# Altium PCB uAMDC.PcbDoc (part 5 of 6)
Units mil, origin at the board's own origin, x right, y up, seen from the top; angles counter-clockwise.
Board outline 4335 x 5120 mil, 6 copper layers (Top Layer, Int1 (GND), Int2 (Sign), Int3 (Sign), Int4 (PWR), Bottom Layer), stack 55.468 mil thick; 396 components, 471 nets, 2094 pads, 683 vias.
Unrouted connection lines stored in the file: 618.
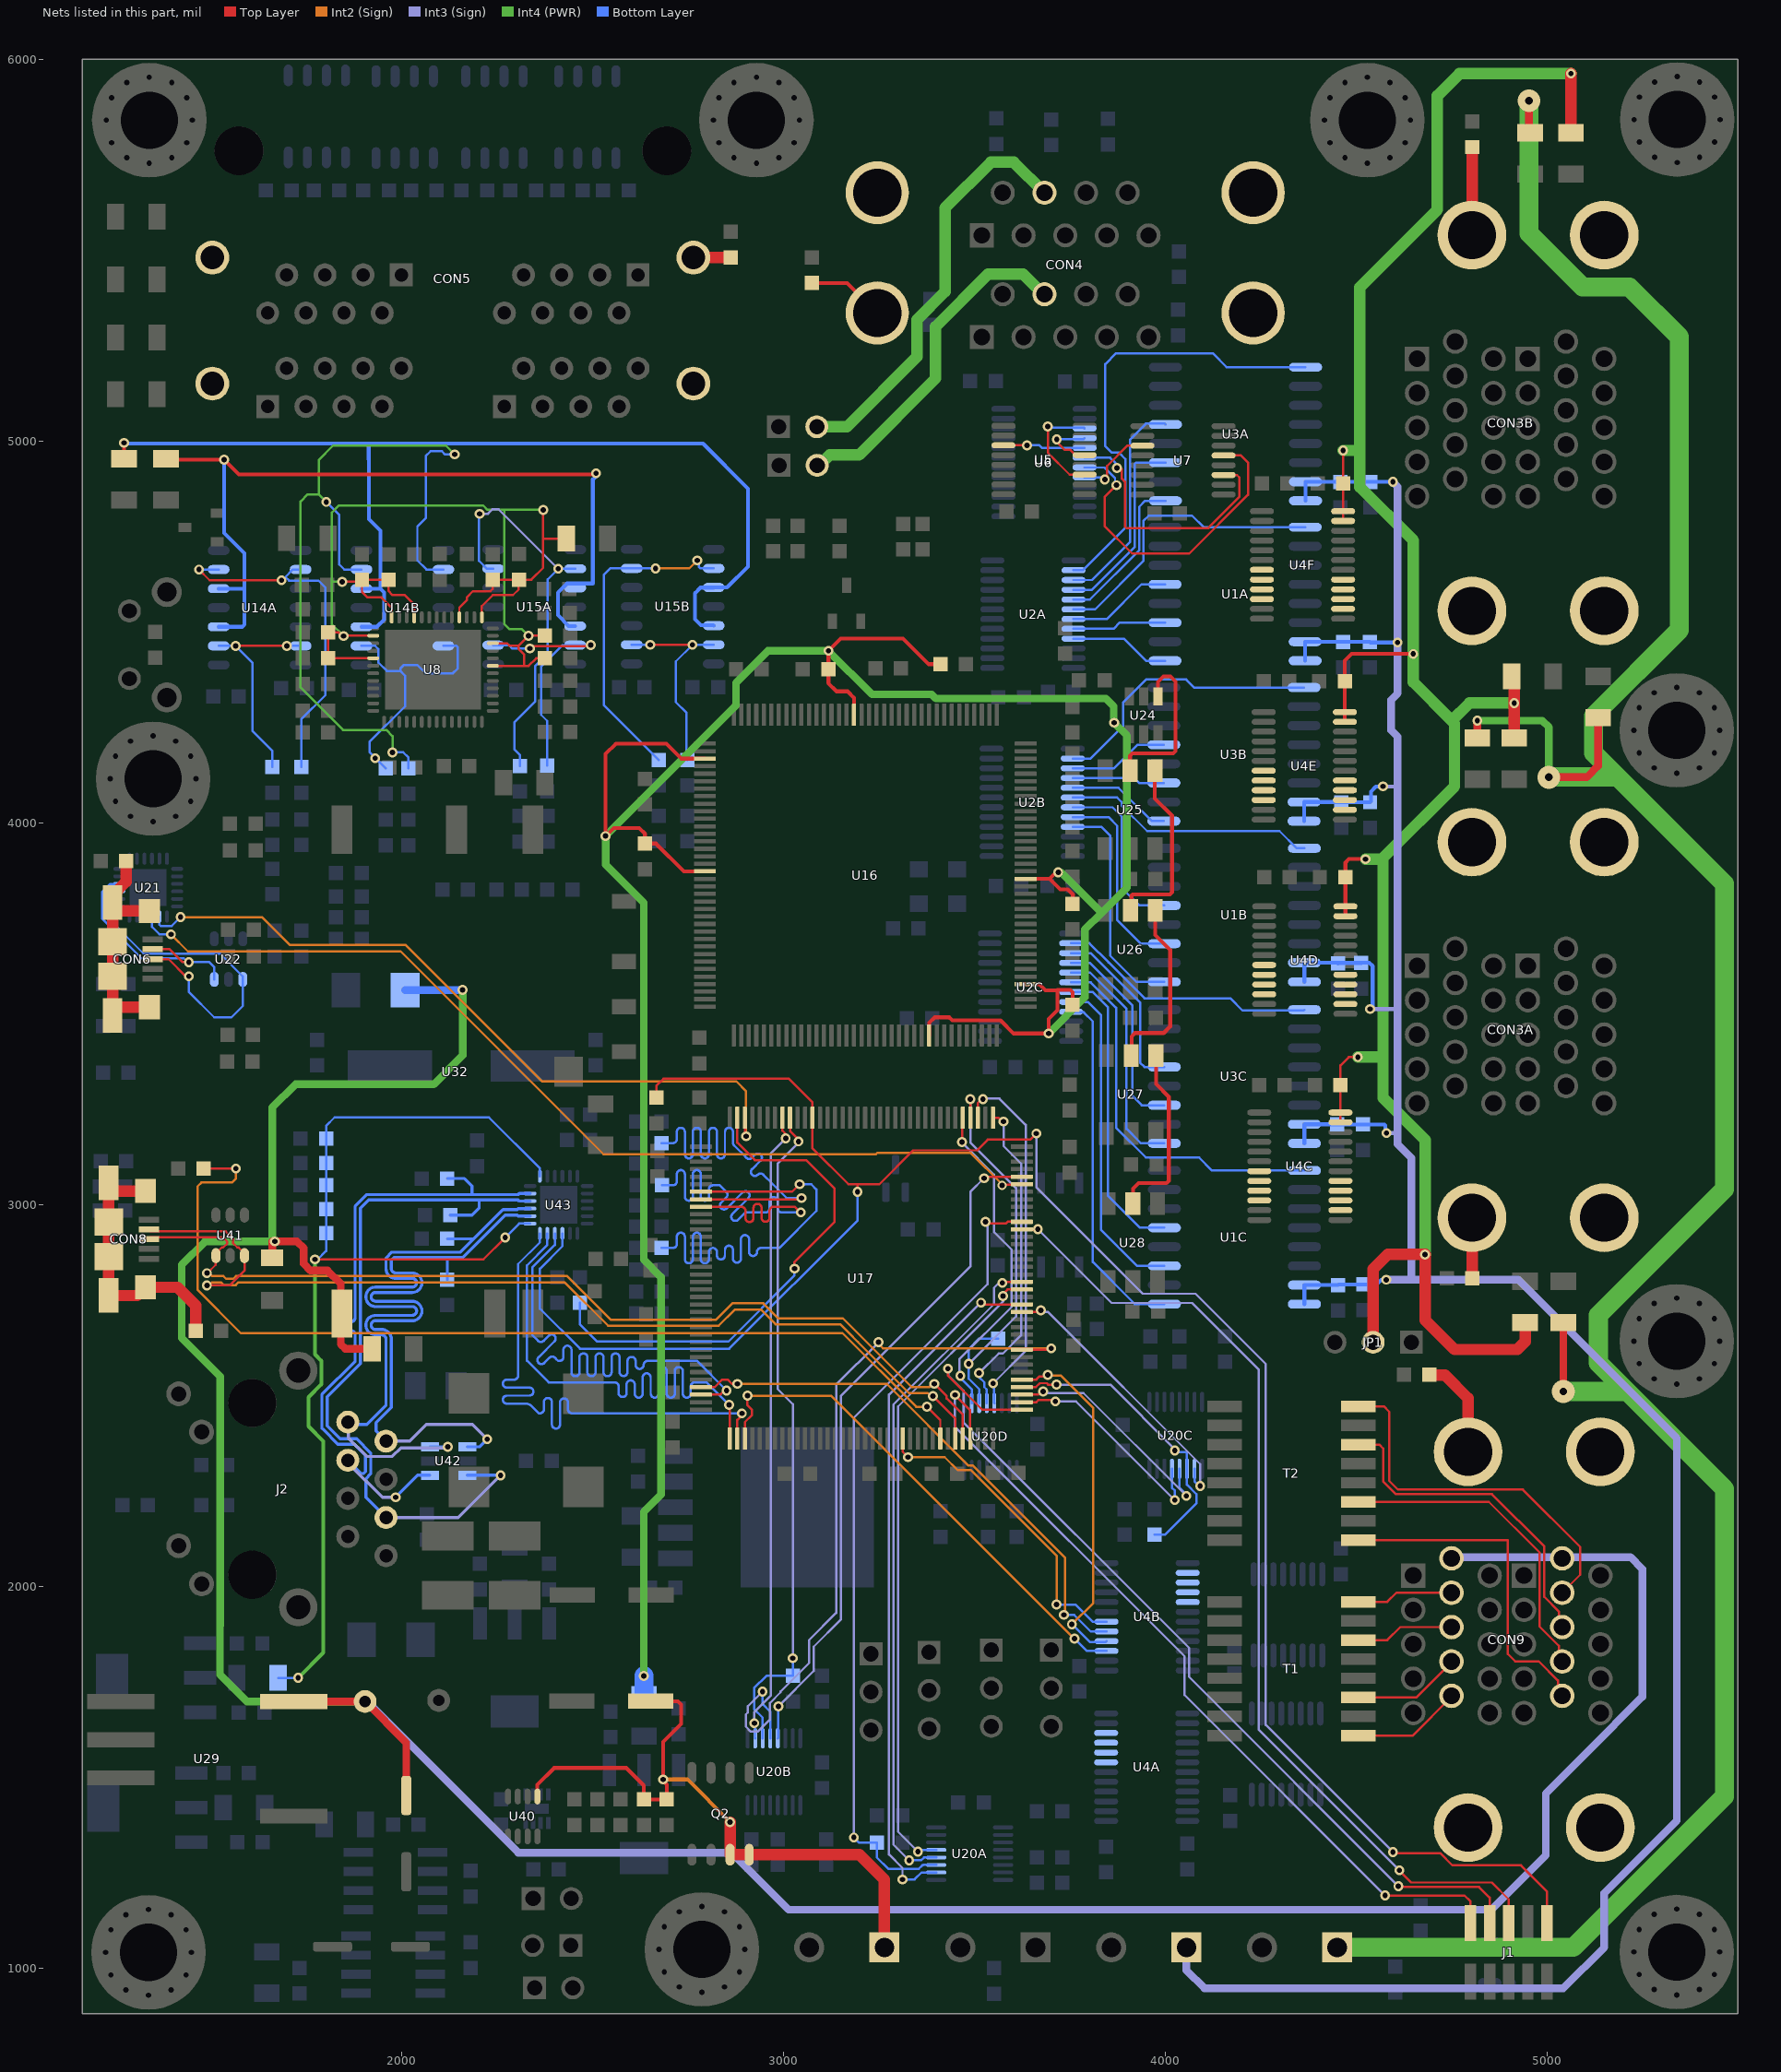
[diagram p9: the nets of this part, all layers, seen from the top]

## Via types
v1: diameter 26, hole 14, Top Layer to Bottom Layer, tented both sides, 326 vias
v2: diameter 26, hole 14, Top Layer to Bottom Layer, 288 vias
v3: diameter 24, hole 14, Top Layer to Bottom Layer, 57 vias
v4: diameter 24, hole 14, Top Layer to Bottom Layer, tented both sides, 5 vias
v5: diameter 19.68, hole 7.87, Top Layer to Bottom Layer, 4 vias
v6: diameter 60, hole 20, Top Layer to Bottom Layer, tented both sides, 3 vias

## Nets (pads, with @x,y where several pads share a name; then routed paths per layer and width w, separated by ;. In a path a pad name is that pad's centre, name@x,y a point inside that pad or via, vN(x,y) a via of type N, cw(c..) or ccw(c..) an arc to the next point about the centre after c; other vN are vias at no path point) (continued)
NetU1A_1: U1A.1 U2A.21 | length 263.7
  Bottom Layer w6: U2A.21@3760.3,4482.02 3892.15,4482.02 3950.17,4424 U1A.1@4000,4424
NetU1A_3: U1A.3 U2A.20 | length 246.5
  Bottom Layer w6: U2A.20@3760.3,4507.61 3865.27,4507.61 3881.65,4524 U1A.3@4000,4524
NetU1A_5: U1A.5 U2A.19 | length 277.3
  Bottom Layer w6: U2A.19@3760.3,4533.2 3847.2,4533.2 3938,4624 U1A.5@4000,4624
NetU1A_9: U1A.9 U2A.18 | length 782.1
  Bottom Layer w6: U2A.18@3760.3,4558.8 3816.8,4558.8 3944,4686 3944,4791 3957,4804 4070.62,4804 4100.62,4774 U1A.9@4366.93,4774
NetU1B_1: U1B.1 U2B.21 | length 592
  Bottom Layer w6: U2B.21@3758.3,3989.02 3833.37,3989.02 3855.96,3966.43 3855.96,3652.04 3925,3583 U1B.1@3998,3583
NetU1B_3: U1B.3 U2B.20 | length 521.7
  Bottom Layer w6: U2B.20@3758.3,4014.61 3851.85,4014.61 3874.6,3991.87 3874.6,3795.47 3875,3795.07 3875,3744.51 3936.51,3683 U1B.3@3998,3683
NetU1B_5: U1B.5 U2B.19 | length 455.6
  Bottom Layer w6: U2B.19@3758.3,4040.2 3862.47,4040.2 3886.71,4015.97 3886.71,3829.29 3933,3783 U1B.5@3998,3783
NetU1B_9: U1B.9 U2B.18 | length 667.1
  Bottom Layer w6: U2B.18@3758.3,4065.8 3874.6,4065.8 3886.71,4053.69 3886.71,4044.29 3953,3978 4299.74,3978 4344.74,3933 U1B.9@4364.93,3933
NetU1C_1: U1C.1 U2C.21 | length 930.4
  Bottom Layer w6: U2C.21@3754,3504.87 3755.87,3503 3787.11,3503 3810.97,3479.14 3810.97,2849.03 3918.02,2741.98 3921,2739 U1C.1@3998.07,2739
NetU1C_3: U1C.3 U2C.20 | length 860.1
  Bottom Layer w6: U2C.20@3754,3530.46 3798.29,3530.46 3832,3496.74 3832,2934 3925.02,2840.98 3927,2839 U1C.3@3998.07,2839
NetU1C_5: U1C.5 U2C.19 | length 789
  Bottom Layer w6: U2C.19@3754,3556.05 3810.97,3556.05 3850,3517.02 3850,3023.12 3934.12,2939 U1C.5@3998.07,2939
NetU1C_9: U1C.9 U2C.18 | length 999.1
  Bottom Layer w6: U2C.18@3754,3581.64 3805.53,3581.64 3872,3515.16 3872,3201 3950,3123 4089,3123 4123,3089 U1C.9@4365,3089
NetU2A_14: U2A.14 U3A.9 | length 1194.8
  Bottom Layer w6: U2A.14@3760.3,4661.16 3785.02,4661.16 3896,4772.14 3896,4952.48 3878.69,4969.8 3859.87,4969.8 3843.45,4986.21 3843.45,5201 3872,5229.55 4124.79,5229.55 4161.35,5193 U3A.9@4367.93,5193
NetU2A_15: U2A.15 U3A.5 | length 568.1
  Bottom Layer w6: U2A.15@3760.3,4635.57 3808.57,4635.57 3908,4735 3908,5003 3950,5045 3999,5045 U3A.5@4001,5043
NetU2A_16: U2A.16 U3A.3 | length 506.1
  Bottom Layer w6: U2A.16@3760.3,4609.98 3808.57,4609.98 3920,4721.41 3920,4939 3924,4943 U3A.3@4001,4943
NetU2A_17: U2A.17 U3A.1 | length 414.6
  Bottom Layer w6: U2A.17@3760.3,4584.39 3803.39,4584.39 3932,4713 3932,4827 3948,4843 U3A.1@4001,4843
NetU2B_14: U2B.14 U3B.9 | length 735.8
  Bottom Layer w6: U2B.14@3758.3,4168.16 3805.16,4168.16 3890,4253 3890,4314.33 3950.48,4374.81 4055.19,4374.81 4076,4354 U3B.9@4363.93,4354
NetU2B_15: U2B.15 U3B.5 | length 264.1
  Bottom Layer w6: U2B.15@3758.3,4142.57 3866.57,4142.57 3928,4204 U3B.5@3997,4204
NetU2B_16: U2B.16 U3B.3 | length 244.1
  Bottom Layer w6: U2B.16@3758.3,4116.98 3919.02,4116.98 3932,4104 U3B.3@3997,4104
NetU2B_17: U2B.17 U3B.1 | length 274.9
  Bottom Layer w6: U2B.17@3758.3,4091.39 3878.12,4091.39 3965.5,4004 U3B.1@3997,4004
NetU2C_14: U2C.14 U3C.9 | length 684.5
  Bottom Layer w6: U2C.14@3754,3684 3802,3684 3851.85,3634.15 3946,3540 4171,3540 4202.87,3508.13 4363.06,3508.13 U3C.9@4364.93,3510
NetU2C_15: U2C.15 U3C.5 | length 460.1
  Bottom Layer w6: U2C.15@3754,3658.41 3805.53,3658.41 3934.7,3529.24 3934.7,3371.3 3946,3360 U3C.5@3998,3360
NetU2C_16: U2C.16 U3C.3 | length 537.3
  Bottom Layer w6: U2C.16@3754,3632.82 3803.18,3632.82 3914,3522 3914,3285 3939,3260 U3C.3@3998,3260
NetU2C_17: U2C.17 U3C.1 | length 613.2
  Bottom Layer w6: U2C.17@3754,3607.23 3803.77,3607.23 3899,3512 3899,3198 3935.02,3161.98 3937,3160 U3C.1@3998,3160
NetU4A_7: U4A.7
NetU4A_8: U4A.8
NetU4A_9: U4A.9
NetU4A_10: U4A.10
NetU4B_14: U4B.14
NetU4B_15: U4B.15
NetU4B_16: U4B.16
NetU4B_17: U4B.17
NetU4C_7: U4C.7
NetU4C_8: U4C.8
NetU4C_9: U4C.9
NetU4C_10: U4C.10
NetU4C_14: U4C.14
NetU4C_15: U4C.15
NetU4C_16: U4C.16
NetU4C_17: U4C.17
NetU4D_7: U4D.7
NetU4D_8: U4D.8
NetU4D_9: U4D.9
NetU4D_10: U4D.10
NetU4D_14: U4D.14
NetU4D_15: U4D.15
NetU4D_16: U4D.16
NetU4D_17: U4D.17
NetU4E_7: U4E.7
NetU4E_8: U4E.8
NetU4E_9: U4E.9
NetU4E_10: U4E.10
NetU4E_14: U4E.14
NetU4E_15: U4E.15
NetU4E_16: U4E.16
NetU4E_17: U4E.17
NetU4F_7: U4F.7
NetU4F_8: U4F.8
NetU4F_9: U4F.9
NetU4F_10: U4F.10
NetU4F_14: U4F.14
NetU4F_15: U4F.15
NetU4F_16: U4F.16
NetU4F_17: U4F.17
NetU24_4: U24.4 U25.2 | length 441.8
  Top Layer w10: U25.2@3908.38,4136.42 3908.38,4175.57 3914.24,4181.42 4021.74,4181.42 4027.66,4187.34 4027.66,4369.74 4014.14,4383.26 3996.19,4383.26 3981.19,4368.26 U24.4@3981.19,4330.47
NetU25_1: U25.1 U26.2 | length 486.8
  Top Layer w10: U26.2@3909.38,3770.42 3912.13,3773.16 3912.13,3809.09 3915.24,3812.2 4012.52,3812.2 4018.38,3818.05 4018.38,4018.05 3973.34,4063.09 U25.1@3973.34,4136.42
NetU26_1: U26.1 U27.2 | length 482
  Top Layer w10: U27.2@3912.38,3390.42 3912.38,3440.05 3921.38,3449.05 3996.52,3449.05 4013.38,3465.91 4013.38,3667.05 3974.34,3706.09 U26.1@3974.34,3770.42
NetU27_1: U27.1 U28.2 | length 483.8
  Top Layer w10: U28.2@3915.38,3002.42 3915.89,3002.93 3915.89,3041.09 3930.81,3056 4003.95,3056 4009.81,3061.86 4009.81,3282.13 3976.34,3315.59 U27.1@3976.34,3390.42
NRST: C70.1 J1.10 U17.25 U43.15 | length 5483.7
  Top Layer w6: C70.1@2668.05,3279.71 2668.05,3310.82 2686.56,3329.33 3015.01,3329.33 3076.83,3267.51 U17.25@3076.83,3227 3076.83,3146.89 3170.74,3052.98 3194.94,3052.98 ; v2(3194.94,3033.3) 3194.94,3052.98 ; v1(3663,3186) 3646.52,3169.52 3535.74,3169.52 3507.94,3141.72 3340.48,3141.72 3251.74,3052.98 3194.94,3052.98 ; v2(4596.95,1303.83) 4599.78,1301 4720.54,1301 4752.54,1269 4932,1269 5000,1201 J1.10@5000,1117.77
  Int3 (Sign) w6: v1(3663,3186) 3663,3045.11 3941.98,2766.13 4079.87,2766.13 4264,2582 4264,1636.78 v2(4596.95,1303.83)
  Bottom Layer w6: U43.15@2421.84,2924.2 2421.84,2890.67 2363,2831.83 2363,2726.92 2467.92,2622 2858.71,2622 3194.94,2958.24 v2(3194.94,3033.3)
OUT1: U4B.3 U17.75 | length 1342.1
  Top Layer w6: U17.75@2899.67,2386.84 2899.67,2429.71 2918.7,2448.74 2918.7,2461.78 2906.56,2473.92 v2(2906.56,2498.95)
  Int2 (Sign) w6: v2(2906.56,2498.95) 3125.75,2498.95 3761.7,1863 v2(3763,1863)
  Bottom Layer w6: v2(3763,1863) 3795.57,1830.43 U4B.3@3846.7,1830.43
OUT1A: U5.3 U6.3 | length 312.4
  Top Layer w6: v2(3693,5038) 3693,4968.91 3750.3,4911.61 U5.3@3789.3,4911.61
  Top Layer w10: U5.3@3789.3,4911.61 U5.3@3814.02,4911.61
  Bottom Layer w6: v2(3693,5038) 3696.57,5034.43 3787.43,5034.43 U6.3@3789.3,5032.57
OUT1B: U5.5 U6.4 | length 167.9
  Top Layer w6: v2(3716.58,5004) 3720.41,5000.17 3720.41,4993.1 3737.13,4976.39 3752.09,4976.39 3765.68,4962.8 U5.5@3789.3,4962.8
  Bottom Layer w6: v2(3716.58,5004) 3786.32,5004 U6.4@3789.3,5006.98
OUT1Z: U5.11 U6.5 | length 215.5
  Top Layer w6: U5.11@3576.7,4988.39 v2(3638.46,4988.39)
  Bottom Layer w6: v2(3638.46,4988.39) 3671,4988.39 3678,4981.39 U6.5@3789.3,4981.39
OUT2: U4B.4 U17.113 | length 928.9
  Top Layer w6: U17.113@3624.87,2541.17 3662.83,2541.17 3671.54,2549.88 3688.98,2549.88 v1(3692.81,2553.71)
  Int2 (Sign) w6: v1(3692.81,2553.71) 3694.51,2552 3727,2552 3812,2467 3812,1956 v2(3756,1900)
  Bottom Layer w6: v2(3756,1900) 3757.11,1900 3802.95,1854.16 3844.84,1854.16 U4B.4@3846.7,1856.02
OUT2A: U6.6 U7.3 | length 698.9
  Top Layer w6: v2(3874,4929.11) 3877.51,4925.6 3887,4925.6 3887,4901.11 3895,4893.11 3895,4775.51 3898.51,4772 4113.35,4772 4195.13,4853.78 4195.13,4903.72 4188.51,4910.34 4153.58,4910.34 U7.3@4153.3,4910.61
  Bottom Layer w6: U6.6@3789.3,4955.8 3856.2,4955.8 3870.17,4941.83 3870.17,4932.94 v2(3874,4929.11)
OUT2B: U6.7 U7.5 | length 856.2
  Top Layer w6: v2(3873,4884) 3841.8,4852.8 3841.8,4777.2 3914,4705 4063.32,4705 4217,4858.68 4217,4943.4 4198.6,4961.8 U7.5@4153.3,4961.8
  Bottom Layer w6: U6.7@3789.3,4930.2 3841.8,4930.2 3869.17,4902.83 3869.17,4887.83 v2(3873,4884)
OUT2Z: U6.8 U7.11 | length 208.2
  Top Layer w6: v2(3842.28,4898.61) 3848.28,4904.61 3848.28,4934.5 3900.97,4987.19 3940.51,4987.19 U7.11@3940.7,4987.39
  Bottom Layer w6: U6.8@3789.3,4904.61 3830.86,4904.61 3836.86,4898.61 v2(3842.28,4898.61)
OUT3: U4B.5 U17.69 | length 1435.5
  Top Layer w6: U17.69@2784.71,2521.49 2820.63,2521.49 2840.32,2541.17 2854.53,2541.17 2865.7,2530 v2(2879.98,2530)
  Int2 (Sign) w6: v2(2879.98,2530) 3271.51,2530 3485.51,2316 3497.01,2316 3738,2075.01 3738,1928.11 v2(3734.95,1925.07)
  Bottom Layer w6: v2(3734.95,1925.07) 3762.05,1925.07 3805.5,1881.61 U4B.5@3846.7,1881.61
OUT4: U4B.6 U17.96 | length 827.9
  Top Layer w6: U17.96@3313.06,2386.84 3313.06,2351.94 3326.82,2338.18 v2(3326.82,2338)
  Int2 (Sign) w6: v2(3326.82,2338) 3422.88,2338 3456.88,2304 3492.04,2304 3716,2080.04 v2(3716,1951.97)
  Bottom Layer w6: v2(3716,1951.97) 3765.23,1951.97 3810,1907.2 U4B.6@3846.7,1907.2
RMII_CRS_DV: R95.1 U17.43 | length 1297.7
  Top Layer w6: U17.43@2784.71,3033.3 3023.32,3033.3 v2(3043,3052.98)
  Bottom Layer w6: R95.1@2681.46,2886 2708,2886 2711,2886 ccw(c2711,2896.5) 2721.5,2896.5 2721.5,2915.5 cw(c2732,2915.5) 2742.5,2915.5 2742.5,2856.5 ccw(c2753,2856.5) 2763.5,2856.5 2763.5,2915.5 cw(c2774,2915.5) 2784.5,2915.5 2784.5,2856.5 ccw(c2795,2856.5) 2805.5,2856.5 2805.5,2875.5 cw(c2816,2875.5) 2826.5,2875.5 2826.5,2866.39 ccw(c2837,2866.39) 2847.5,2866.39 2847.5,2881.47 cw(c2858,2881.47) 2868.5,2881.47 2868.5,2858.01 ccw(c2879,2858.01) 2889.5,2858.01 2889.5,2909.29 cw(c2900,2909.29) 2910.5,2909.29 2910.5,2875.5 ccw(c2921,2875.5) 2931.5,2875.5 cw(c2942,2875.5) 2942,2886 2981.25,2886 2990,2886 3086.94,2982.94 3086.94,3039.49 3073.44,3052.98 v2(3043,3052.98)
RMII_REF_CLK: R101.1 U17.35 | length 1349.4
  Top Layer w6: U17.35@2879.98,3227 2879.98,3161.94 2925.93,3116 3060,3116 3134.73,3041.27 3134.73,2954.48 3029.64,2849.39 v2(3029.64,2831.96)
  Bottom Layer w6: R101.1@2468,2742.54 2468,2685.51 2512.51,2641 2856.67,2641 3029.64,2813.97 v2(3029.64,2831.96)
RMII_RXD0: R91.2 U17.44 | length 1263.4
  Top Layer w6: U17.44@2784.71,3013.61 3044.61,3013.61 v2(3047.81,3016.81)
  Bottom Layer w6: R91.2@2681.46,3160.75 2708,3160.75 2711,3160.75 ccw(c2711,3171.25) 2721.5,3171.25 2721.5,3190.25 cw(c2732,3190.25) 2742.5,3190.25 2742.5,3131.25 ccw(c2753,3131.25) 2763.5,3131.25 2763.5,3190.25 cw(c2774,3190.25) 2784.5,3190.25 2784.5,3131.25 ccw(c2795,3131.25) 2805.5,3131.25 2805.5,3190.25 cw(c2816,3190.25) 2826.5,3190.25 2826.5,3131.25 ccw(c2837,3131.25) 2847.5,3131.25 2847.5,3190.25 cw(c2858,3190.25) 2868.5,3190.25 2868.5,3161.85 ccw(c2879,3161.85) 2871.58,3154.42 2901.55,3124.45 2903.67,3122.33 ccw(c2911.09,3129.76) 2918.52,3122.33 2926.36,3130.18 cw(c2933.78,3122.75) 2941.21,3130.18 cw(c2933.78,3122.75) 2941.21,3115.33 2918.52,3092.63 ccw(c2925.94,3085.21) 2918.52,3077.78 ccw(c2925.94,3085.21) 2933.36,3077.78 cw(c2940.79,3070.36) 2948.21,3077.79 2973,3053 3009.19,3016.81 v2(3047.81,3016.81)
RMII_RXD1: R92.2 U17.45 | length 1341.2
  Top Layer w6: U17.45@2784.71,2993.93 2866.78,2993.93 2890.78,2993.93 cw(c2890.78,2983.43) 2901.28,2983.43 2901.28,2964.43 ccw(c2911.78,2964.43) 2922.28,2964.43 2922.28,2991.11 cw(c2932.78,2991.11) 2943.28,2991.11 2943.28,2965.2 ccw(c2953.78,2965.2) 2964.28,2965.2 2964.28,2983.43 cw(c2974.78,2983.43) 2974.78,2993.93 3029.62,2993.93 3044.38,2979.17 v2(3045.98,2979.17)
  Bottom Layer w6: R92.2@2682.59,3050 2708,3050 2711,3050 ccw(c2711,3060.5) 2721.5,3060.5 2721.5,3079.5 cw(c2732,3079.5) 2742.5,3079.5 2742.5,3020.5 ccw(c2753,3020.5) 2763.5,3020.5 2763.5,3079.5 cw(c2774,3079.5) 2784.5,3079.5 2784.5,3020.5 ccw(c2795,3020.5) 2805.5,3020.5 2805.5,3039.5 cw(c2816,3039.5) 2816,3050 2834.02,3050 2850.99,3033.03 cw(c2843.56,3025.6) 2850.99,3018.18 2837.55,3004.74 ccw(c2844.98,2997.32) 2837.55,2989.9 ccw(c2844.98,2997.32) 2852.4,2989.9 2894.12,3031.61 cw(c2901.55,3024.19) 2908.97,3031.62 cw(c2901.55,3024.19) 2908.97,3016.77 2867.25,2975.05 ccw(c2874.68,2967.62) 2867.25,2960.2 ccw(c2874.68,2967.62) 2882.1,2960.2 2898,2976.1 cw(c2905.42,2968.67) 2905.42,2979.17 2948.18,2979.17 2951,2979.17 2954,2979.17 ccw(c2954,2989.67) 2964.5,2989.67 2964.5,3008.67 cw(c2975,3008.67) 2985.5,3008.67 2985.5,2989.67 ccw(c2996,2989.67) 2996,2979.17 3029.64,2979.17 v2(3045.98,2979.17)
RMII_TX_EN: U17.70 U43.16 | length 1546.8
  Top Layer w6: U17.70@2784.71,2501.8 2835.34,2501.8 2841.95,2508.41 2847.36,2508.41 v2(2851.77,2512.82)
  Bottom Layer w6: U43.16@2402.16,2924.2 2402.16,2893.88 2343,2834.72 2343,2658 2358.08,2642.92 ccw(c2365.51,2650.34) 2372.93,2642.92 2386.37,2656.35 cw(c2393.79,2648.93) 2401.21,2656.35 cw(c2393.79,2648.93) 2401.21,2641.51 2359.5,2599.79 ccw(c2366.92,2592.36) 2359.5,2584.94 ccw(c2366.92,2592.36) 2374.34,2584.94 2387.78,2598.37 cw(c2395.2,2590.95) 2402.63,2598.37 2404.75,2596.25 2411,2590 2414,2590 ccw(c2414,2600.5) 2424.5,2600.5 2424.5,2619.5 cw(c2435,2619.5) 2445.5,2619.5 2445.5,2560.5 ccw(c2456,2560.5) 2466.5,2560.5 2466.5,2599.5 cw(c2477,2599.5) 2487.5,2599.5 2487.5,2560.5 ccw(c2498,2560.5) 2508.5,2560.5 2508.5,2599.5 cw(c2519,2599.5) 2529.5,2599.5 2529.5,2560.5 ccw(c2540,2560.5) 2550.5,2560.5 2550.5,2599.5 cw(c2561,2599.5) 2571.5,2599.5 2571.5,2561.13 ccw(c2582,2561.13) 2592.5,2561.13 2592.5,2590 cw(c2603,2590) 2613.5,2590 2613.5,2579.5 ccw(c2624,2579.5) 2634.5,2579.5 cw(c2645,2579.5) 2645,2590 2681.46,2590 2774.59,2590 v2(2851.77,2512.82)
RMII_TXD0: U17.73 U43.17 | length 1545.9
  Top Layer w6: v2(2858.48,2475) 2860.3,2473.18 U17.73@2860.3,2386.84
  Bottom Layer w6: U43.17@2382.47,2924.2 2382.47,2893.88 2329,2840.41 2329,2591 2386,2534 2394.5,2534 2558.59,2534 cw(c2558.59,2523.5) 2569.09,2523.5 2569.09,2506.19 ccw(c2579.59,2506.19) 2590.09,2506.19 2590.09,2528.72 cw(c2600.59,2528.72) 2611.09,2528.72 2611.09,2504.5 ccw(c2621.59,2504.5) 2632.09,2504.5 2632.09,2547.1 cw(c2642.59,2547.1) 2653.09,2547.1 2653.09,2504.5 ccw(c2663.59,2504.5) 2674.09,2504.5 2674.09,2563.5 cw(c2684.59,2563.5) 2695.09,2563.5 2695.09,2504.5 ccw(c2705.59,2504.5) 2716.09,2504.5 2716.09,2563.5 cw(c2726.59,2563.5) 2737.09,2563.5 2737.09,2504.5 ccw(c2747.59,2504.5) 2758.09,2504.5 2758.09,2523.5 cw(c2768.59,2523.5) 2768.59,2534 2771.59,2534 2799.48,2534 v2(2858.48,2475)
RMII_TXD1: U17.74 U43.18 | length 1545.9
  Top Layer w6: U17.74@2879.98,2386.84 2879.98,2435.73 2891.84,2447.59 v2(2891.84,2453)
  Bottom Layer w6: U43.18@2362.79,2924.2 2362.79,2900.79 2306,2844 2306,2582 2306,2551.75 cw(c2295.5,2551.75) 2295.5,2541.25 2276.5,2541.25 ccw(c2276.5,2530.75) 2276.5,2520.25 2335.5,2520.25 cw(c2335.5,2509.75) 2335.5,2499.25 2276.5,2499.25 ccw(c2276.5,2488.75) 2276.5,2478.25 2327.32,2478.25 cw(c2327.32,2460.33) 2340,2473 2343,2470 2360,2453 2363,2453 ccw(c2363,2463.5) 2373.5,2463.5 2373.5,2482.5 cw(c2384,2482.5) 2394.5,2482.5 2394.5,2423.5 ccw(c2405,2423.5) 2415.5,2423.5 2415.5,2481.22 cw(c2426,2481.22) 2436.5,2481.22 2436.5,2463.5 ccw(c2447,2463.5) 2447,2453 2506,2453 v2(2891.84,2453)
RX_N: J2.6 R84.1 U42.6 U43.22 | length 1937
  Int3 (Sign) w8: J2.6@1960,2180 2149.4,2180 v2(2260,2290.6)
  Bottom Layer w8: J2.6@1960,2180 1907.11,2232.89 1907.11,2281.31 1920,2294.2 1920,2349.2 1883.2,2386 1839.8,2386 1805.9,2419.9 1805.9,2495.9 1893,2583 1893,2990 1914.68,3011.68 2204,3011.68 ; R84.1@2128.34,2972.31 2185.17,2972.31 2204,2991.15 2204,3011.68 ; U42.6@2173.21,2290.6 v2(2260,2290.6) ; U43.22@2337.2,3008.84 2308.84,3008.84 2306,3011.68 2204,3011.68
RX_P: J2.3 R86.1 U42.1 U43.23 | length 1783.8
  Int3 (Sign) w8: J2.3@1860,2330 1860,2319 1864.43,2319 1950.54,2232.89 v2(1985,2232.89)
  Bottom Layer w8: J2.3@1860,2330 1894.69,2295.31 1901.31,2295.31 1906,2300 1906,2343.4 1877.4,2372 1834,2372 1796,2410 1791.9,2414.1 1791.9,2501.7 1879,2588.8 1879,2654 1879,2658 ccw(c1867.5,2658) 1867.5,2669.5 1848.44,2669.5 cw(c1848.44,2681) 1848.44,2692.5 1867.5,2692.5 ccw(c1867.5,2704) 1879,2704 1879,2738 1879,2995.8 1908.89,3025.68 2185.17,3025.68 ; v2(1985,2232.89) 2042.71,2290.6 U42.1@2074.79,2290.6 ; R86.1@2120.46,3068 2165.38,3068 2185.17,3048.21 2185.17,3025.68 ; U43.23@2337.2,3028.53 2308.84,3028.53 2306,3025.68 2185.17,3025.68
SH_AGND: CON5.SH1 CON5.SH2 CON5.SH3 CON5.SH4 R33.2 | length 97.5
  Top Layer w30: CON5.SH2@2765.27,5480.27 R33.2@2862.73,5480.27
SH_ENC: CON4.SH1 CON4.SH2 CON4.SH3 CON4.SH4 R16.1 | length 188.2
  Top Layer w10: R16.1@3090.75,5413.54 3167.96,5413.54 CON4.SH4@3246.46,5335.04
SH_GND_INV_1: CON3A.SH1 CON3A.SH2 CON3A.SH3 CON3A.SH4 R1A.1 | length 158.4
  Top Layer w30: CON3A.SH3@4803.54,2965 4804,2964.54 4804,2807.46 R1A.1@4804.46,2807
SH_GND_INV_2: CON3B.SH1 CON3B.SH2 CON3B.SH3 CON3B.SH4 R1B.1 | length 231.1
  Top Layer w30: CON3B.SH4@4803.54,5539 4804.27,5539.73 4804.27,5768.81 R1B.1@4805,5769.54
SH_SPI: CON9.SH1 CON9.SH2 CON9.SH3 CON9.SH4 R107.2 | length 267
  Top Layer w30: R107.2@4692.46,2554 4693.22,2553.25 4732.75,2553.25 4793.54,2492.46 CON9.SH4@4793.54,2352
SH_USB: CON8.SH R83.1 | length 723.4
  Top Layer w30: CON8.SH@1233.54,3056.62 CON8.SH@1233.54,3055.56 ; CON8.SH@1330,3034.97 1254.13,3034.97 CON8.SH@1233.54,3055.56 ; R83.1@1461.54,2669 1461.54,2735.46 1414,2783 CON8.SH@1330,2783 1308.35,2761.35 CON8.SH@1233.54,2761.35 CON8.SH@1233.54,2863.71 CON8.SH@1233.54,2954.26 CON8.SH@1233.54,3055.56
SH_USBUART: CON6.SH R52.1 | length 893.2
  Top Layer w30: R52.1@1279.46,3899 1279.46,3845.51 1244,3810.05 CON6.SH@1244,3779.3 ; CON6.SH@1340.46,3516.74 1254.59,3516.74 1244,3506.15 CON6.SH@1244,3495.09 CON6.SH@1244,3516.74 ; CON6.SH@1340.46,3768.71 1254.59,3768.71 CON6.SH@1244,3779.3 ; CON6.SH@1244,3516.74 CON6.SH@1244,3597.45 ; CON6.SH@1244,3516.74 CON6.SH@1244,3597.45 ; CON6.SH@1244,3597.45 CON6.SH@1244,3688 ; CON6.SH@1244,3597.45 CON6.SH@1244,3688 ; CON6.SH@1244,3597.45 CON6.SH@1244,3688 ; CON6.SH@1244,3688 CON6.SH@1244,3779.3
SPI1_IM: CON9.8A T1.14 | length 258.1
  Top Layer w6: T1.14@4506,1859 4582,1859 4616,1893 CON9.8A@4750,1893
SPI1_IP: CON9.7A T1.16 | length 253.9
  Top Layer w6: T1.16@4506,1959 4582,1959 4606,1983 CON9.7A@4750,1983
SPI1_MISO: R47A.1 U17.134 U20A.3 | length 2136
  Top Layer w6: v2(3529.59,2954.56) 3535,2954.56 3539.63,2949.93 3583.19,2949.93 3587.82,2954.56 U17.134@3624.87,2954.56
  Int3 (Sign) w6: v1(3185,1342) 3185,2440.9 3535.15,2791.05 3535.15,2949 v2(3529.59,2954.56)
  Bottom Layer w6: v1(3185,1342) 3198,1329 R47A.1@3245.54,1329 3245.54,1289.63 3275.17,1260 3355.28,1260 3364.28,1269 3366.08,1269 3367.03,1269.94 U20A.3@3400.8,1269.94
SPI1_MOSI: U17.123 U20A.2 | length 1830.1
  Top Layer w6: v2(3518.08,2742.86) 3523.49,2742.86 3528.33,2738.02 U17.123@3624.87,2738.02
  Int3 (Sign) w6: v2(3312.46,1232) 3312.46,1262.03 3277,1297.49 3277,2501.79 v2(3518.08,2742.86)
  Bottom Layer w6: v2(3312.46,1232) 3344.25,1232 3362.51,1250.26 U20A.2@3400.8,1250.26
SPI1_NSS: U17.125 U20A.5 | length 1699.4
  Top Layer w6: v2(3576,2760.02) 3576,2765.44 3587.71,2777.15 3587.71,2777.29 3587.82,2777.39 U17.125@3624.87,2777.39
  Int3 (Sign) w6: v2(3353.02,1305) 3352.87,1305 3301,1356.87 3301,2470.95 3576,2745.95 v2(3576,2760.02)